# Altium PCB TMC4671-EVAL_V1_1.PcbDoc (part 1 of 2)
Units mil, origin at the board's own origin, x right, y up, seen from the top; angles counter-clockwise.
Board outline 2165.36 x 3346.46 mil, 6 copper layers (Top, GND1, MID, VM, GND2, Bottom), stack 61.733 mil thick; 157 components, 127 nets, 622 pads, 423 vias.
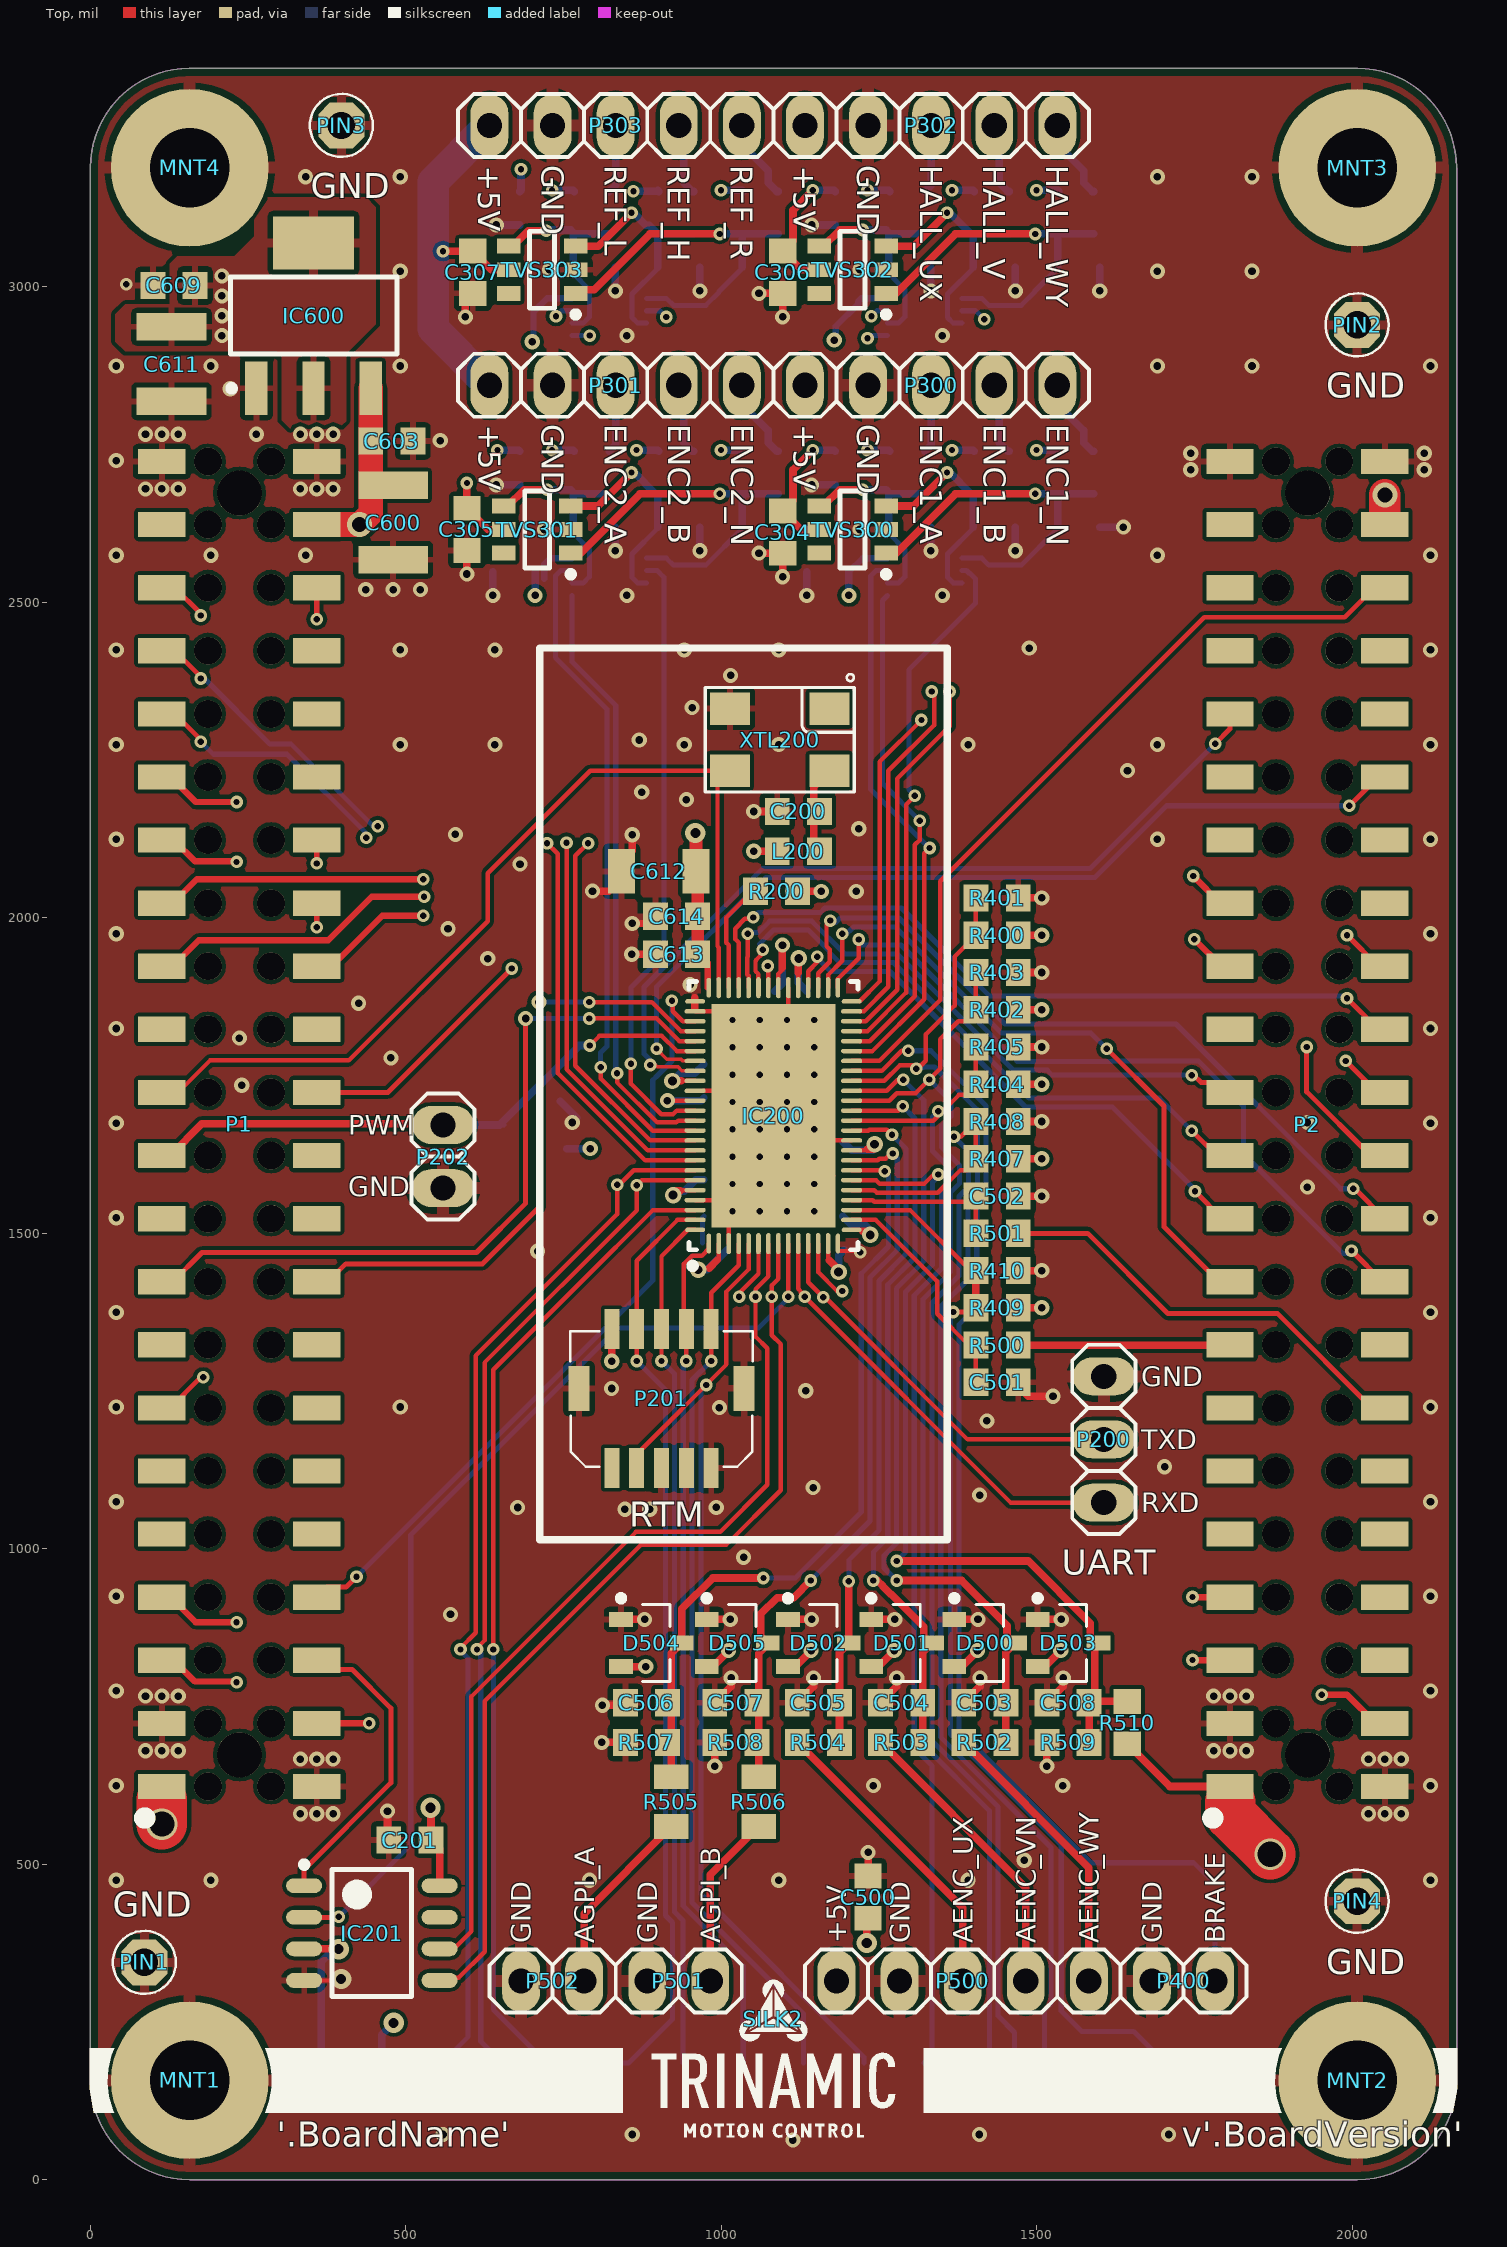
[diagram p0: Top view]
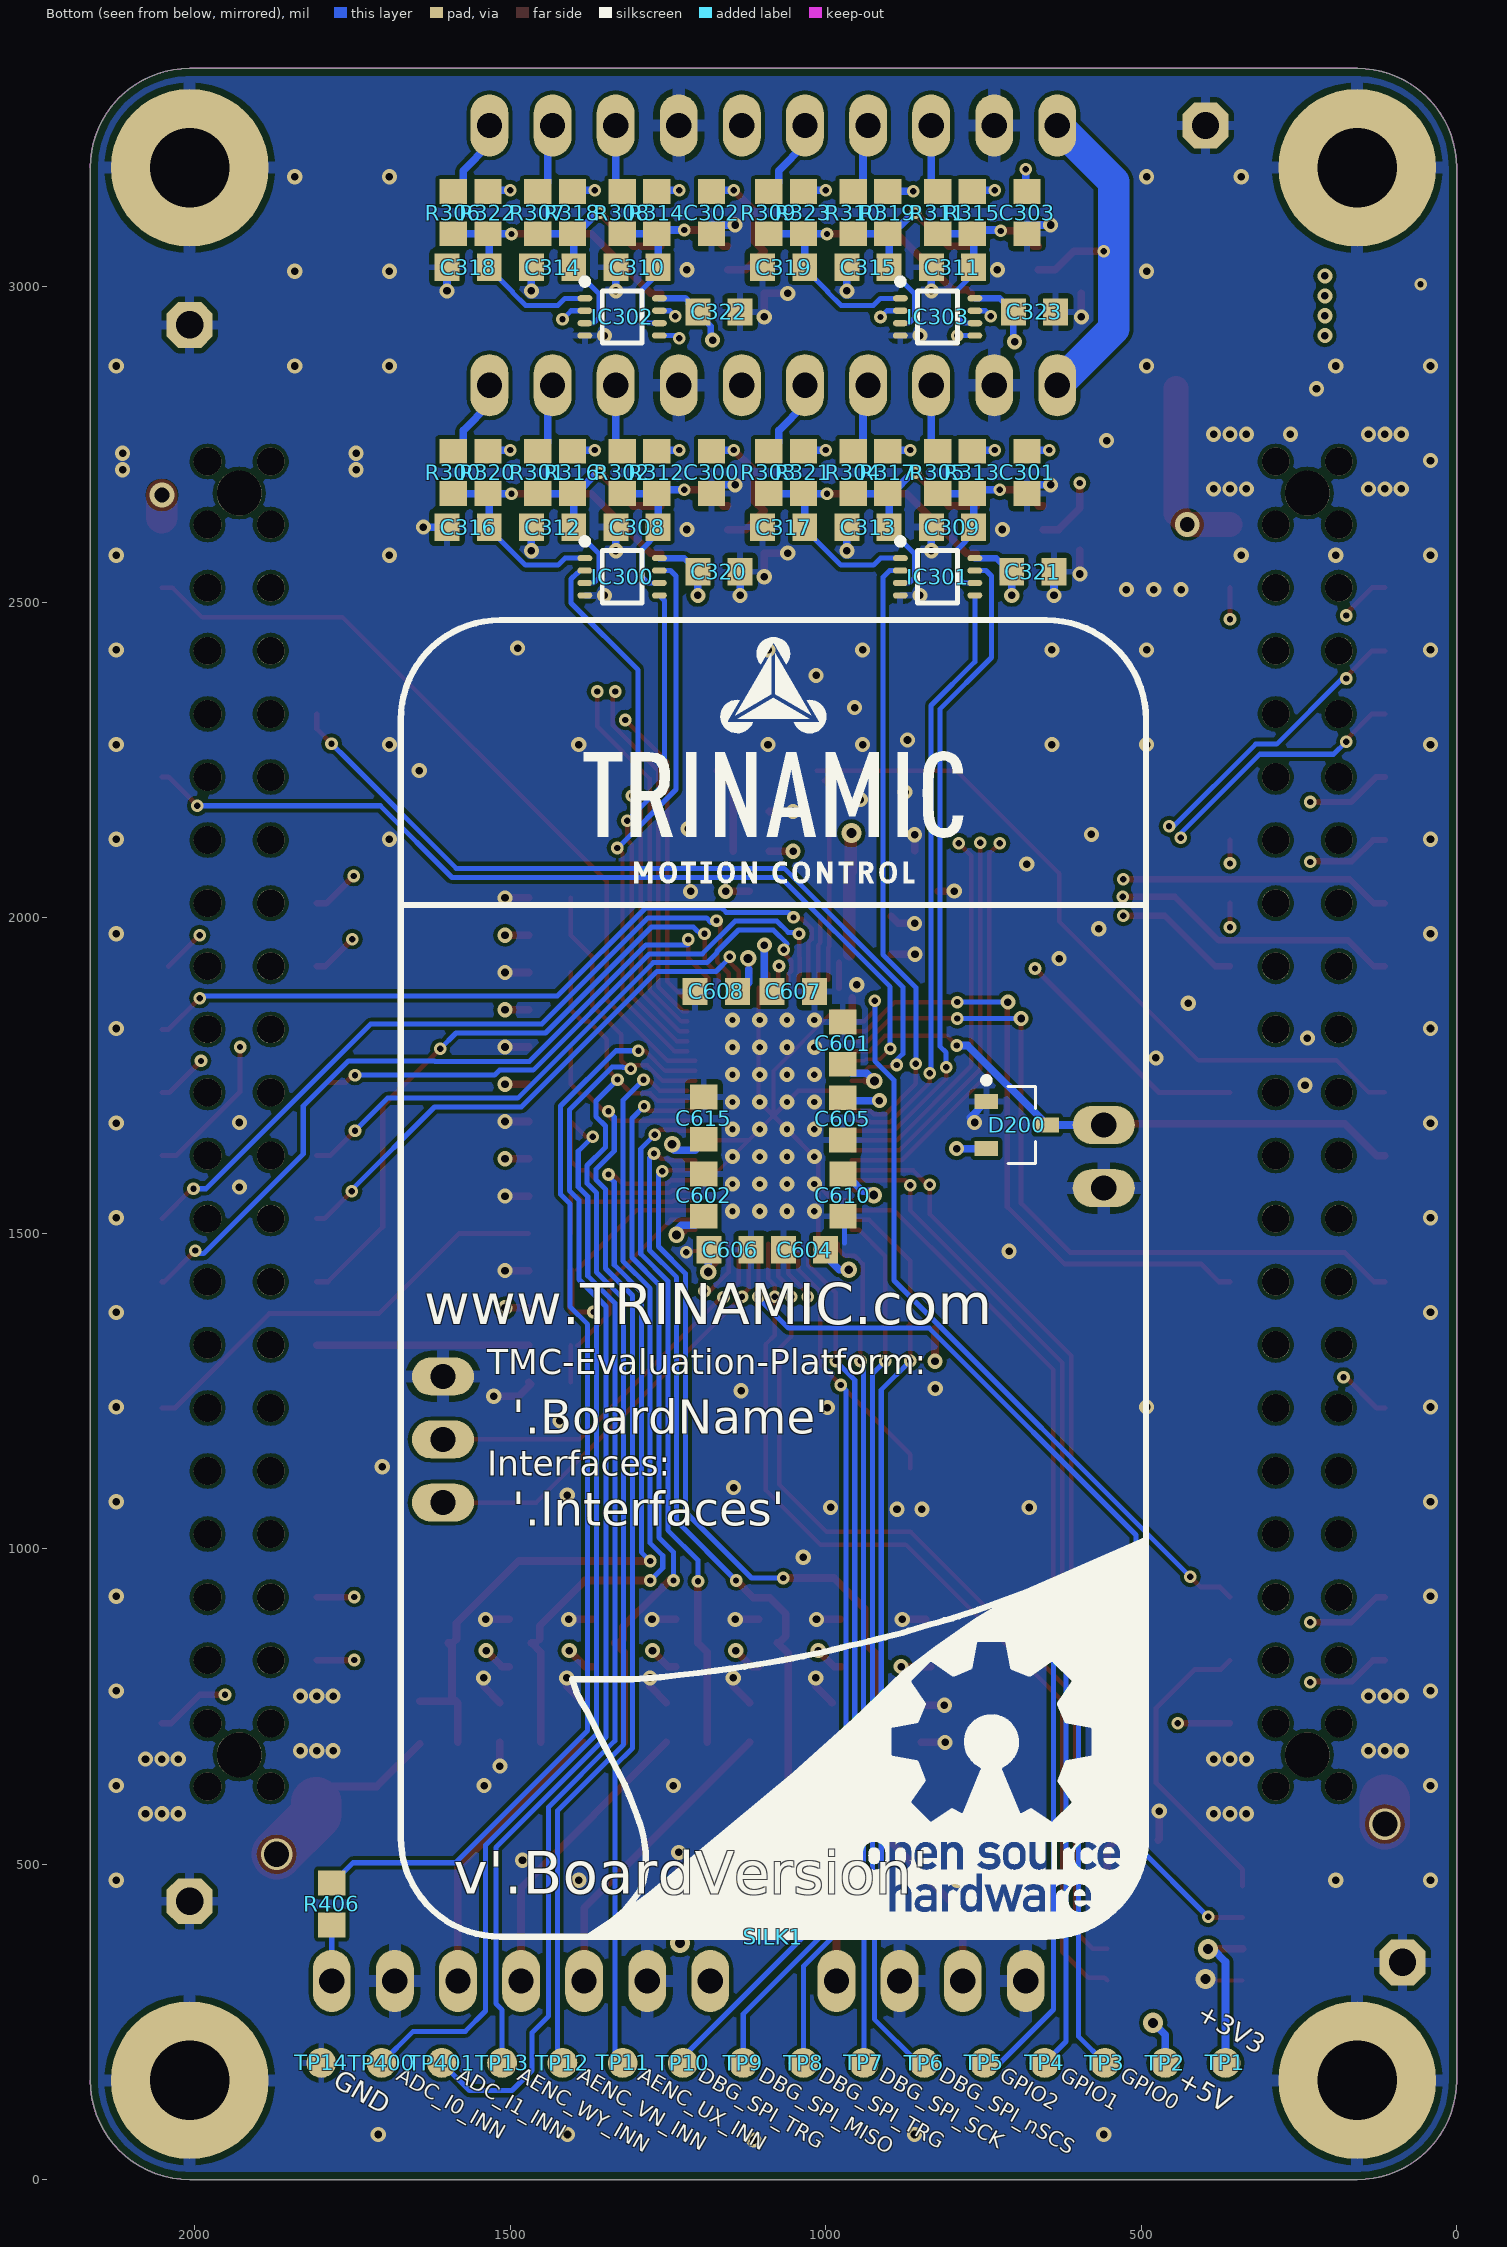
[diagram p1: Bottom view, seen from below]
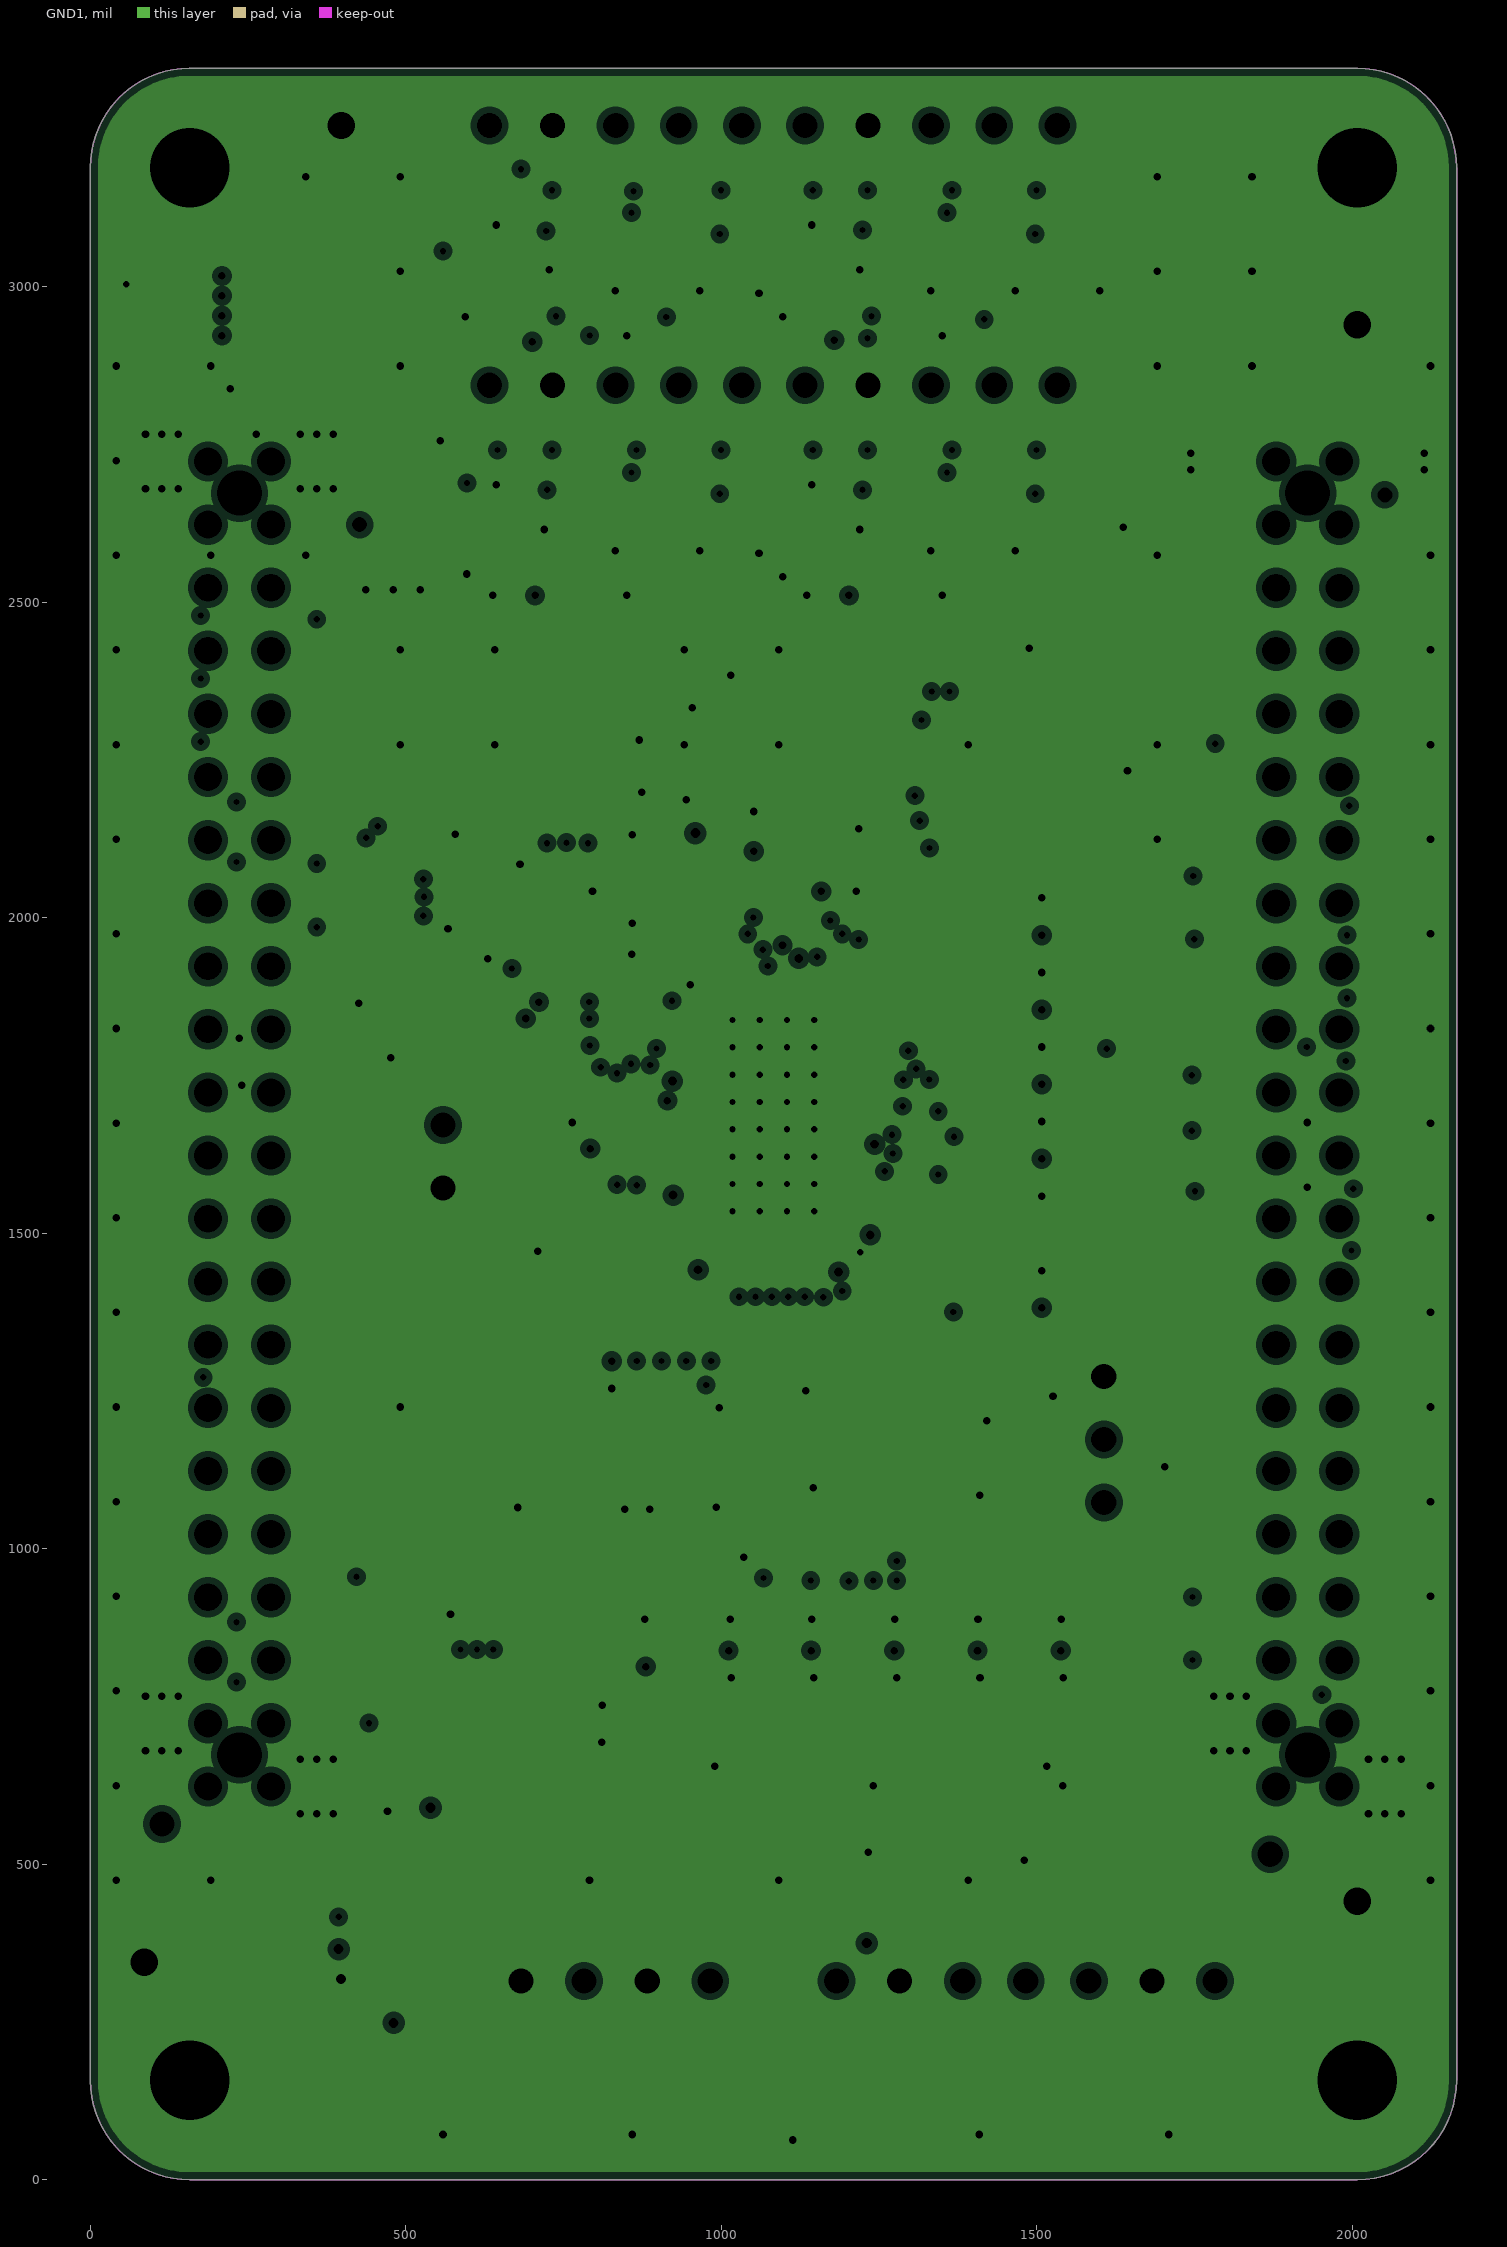
[diagram p2: GND1, clearances drawn from the general rule]
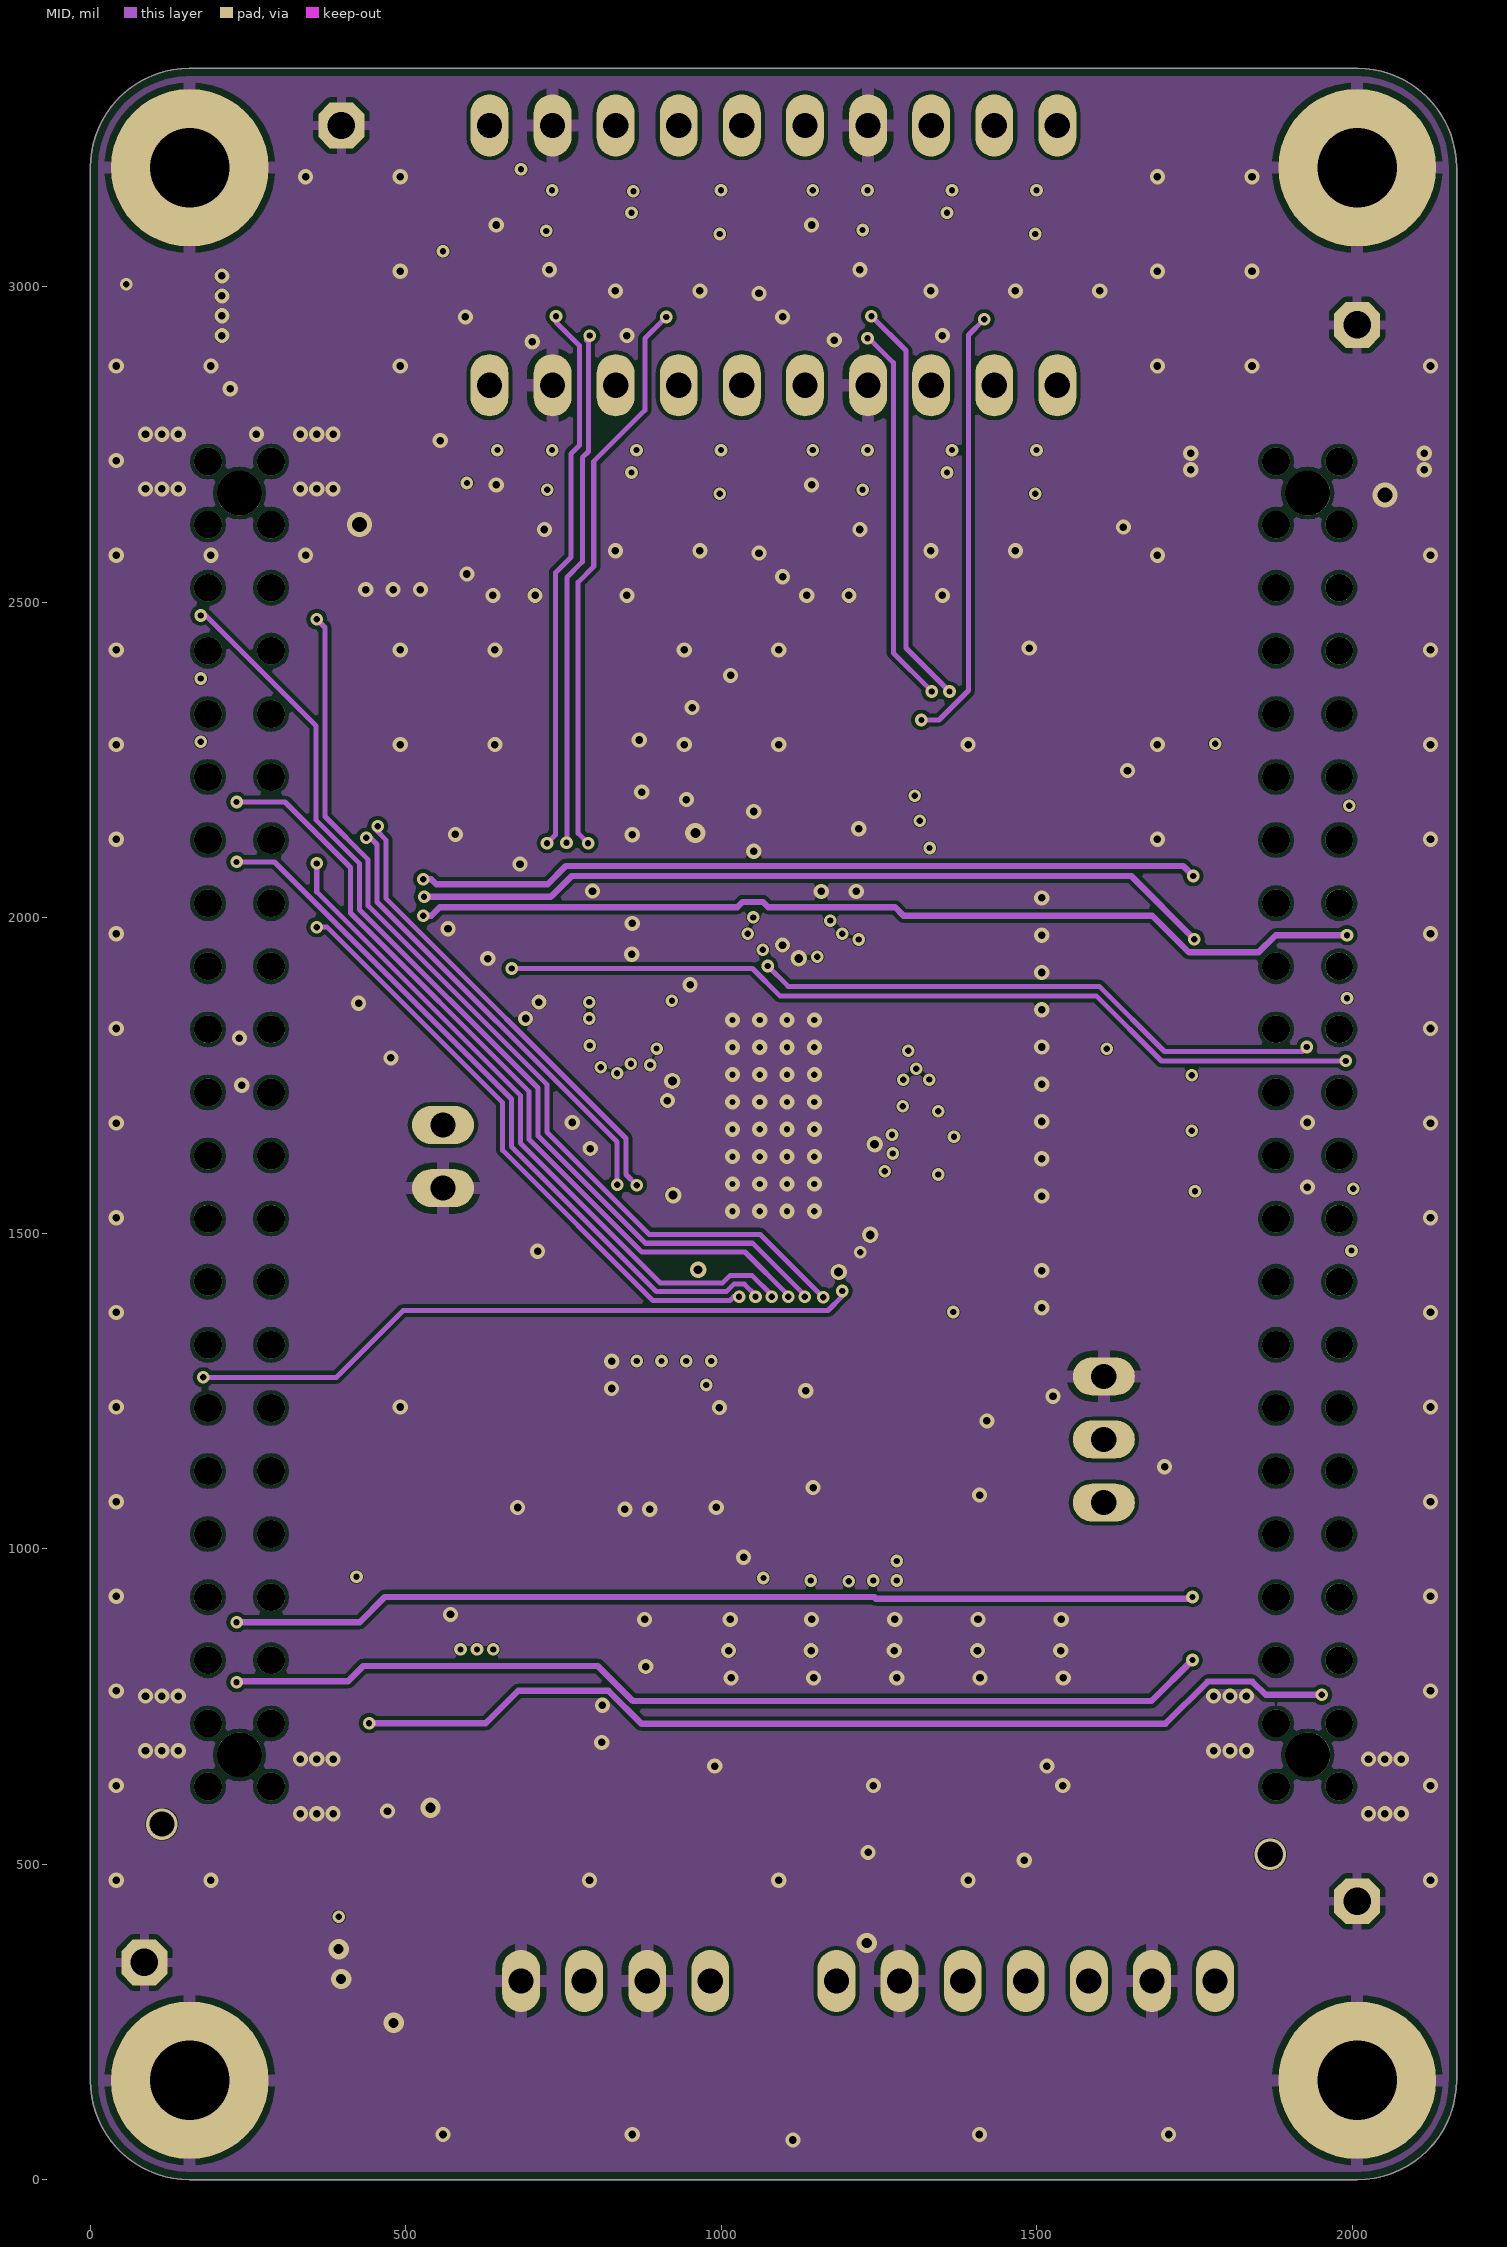
[diagram p3: MID]